# KiCad board soldiercrab_panel.kicad_pcb (continued)
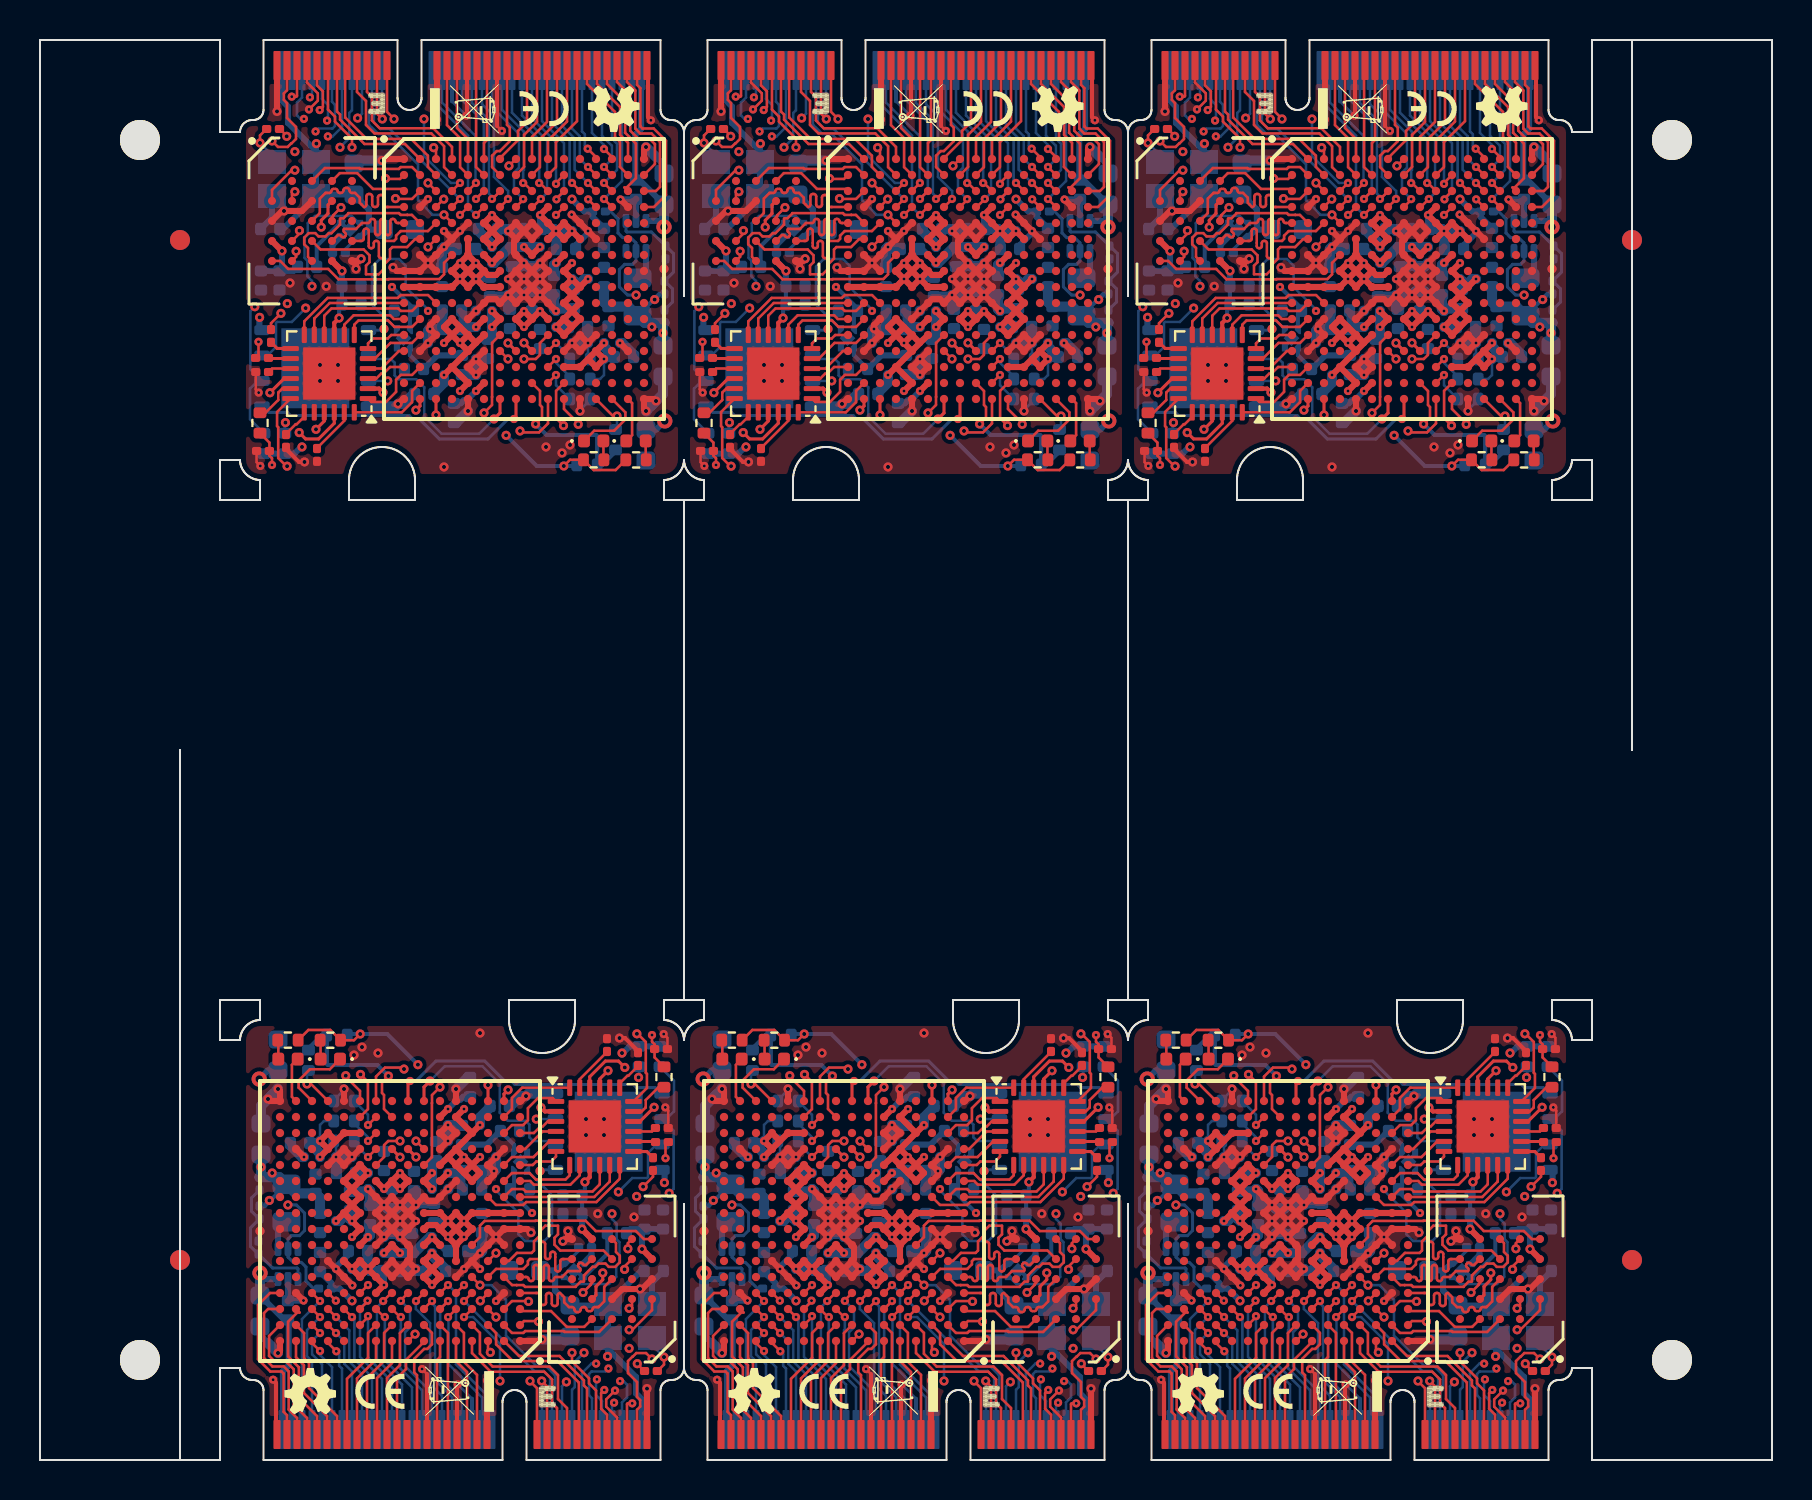
[diagram p0: board, top side]
## Routing (per net, layer and track width the routed paths; a pad name or vN(x,y) marks a point on that pad's centre or on a via; arc(x,y) is an arc through that point) (continued)
  Bottom w0.203: C32#6.1 C5.1 14.95,57.63 v2(14.95,57.1)
  Bottom w0.305: v2(12.1,60.45) 12.1,59.58 C31#3.1 ; C83#6.1 20.48,58.67 20.5,58.65 20.6,58.65 v1(21,59.05) ; C31#3.1 11.05,59.46 11.1,59.51 ; C31#3.1 12.68,59.46 C65#6.1 ; 15.07,58.73 C32#6.1 15.1,59.45 v2(15.1,59.45) 14.63,59.93 R16#5.1 14.63,60.76 15.04,61.18 ; v1(21.8,59.05) 22.42,59.05 C19#5.1
  Bottom w0.508: 19.68,53.35 20.2,53.87 v1(20.2,54.25)
Board_1-+1V1: length 19.4
  Top w0.305: IC1.G7 v1(44.8,59.85) IC1.G6 ; IC1.L9 v1(46.4,57.45) IC1.L8 v1(46.4,56.65) IC1.L9 ; IC1.L9 v1(47.2,57.45) IC1.L10 ; v1(47.2,60.65) IC1.G9 v1(46.4,60.65)
  Bottom w0.203: v2(52.79,56.65) 52.23,57.22 L1#6.2 53.16,58.3 C25#5.2 53.21,58.3 v2(52.93,58.02)
  Bottom w0.305: C15#6.1 44.1,60.55 v1(44.8,59.85) ; C1.1 53.01,51.52 v3(53.44,51.95)
  Bottom w0.508: v1(47.2,60.65) 46.82,60.65 C13.1 46.78,60.65 v1(46.4,60.65) 45.82,60.65 C9#2.1 45.68,60.63 44.9,59.85 v1(44.8,59.85) ; C3#5.1 v2(53.35,56.35) 53.35,56.78 R2#6.2 52.43,56.86 L1#6.2 51.62,57.67 50.63,57.67 50.4,57.9 50.4,58.67
Board_1-+2V5: length 16.9
  Top w0.305: IC1.G11 v1(48,59.85) ; v1(44.8,56.65) IC1.L7 v1(44.8,57.45)
  In3.Cu w0.305: v1(44.8,56.65) 44.8,59.16 45.28,59.65 45.28,60.22 46.2,61.13 47.4,61.13 48,60.54 v1(48,59.85)
  Bottom w0.203: 41.38,54.55 40.7,55.24 U2#3.1
  Bottom w0.305: C26#4.1 44.17,56.03 43.37,55.23 C22#6.1 42.06,55.23 41.38,54.55
  Bottom w0.508: v1(44.8,57.45) v1(44.8,56.65) 44.8,56.23 C26#4.1 ; C24#5.1 47.9,59.75 v1(48,59.85)
Board_1-+3V3: length 82.7
  Top w0.127: R11#2.2 50.98,49.5 49.88,49.5 R15#2.2 48.7,50.01 v2(48.39,49.7)
  Top w0.152: U3.16 34.4,54.07 v2(33.69,53.36)
  Top w0.305: 48.8,56.65 IC1.L12 IC1.K11 IC1.J12 ; 48.8,56.65 IC1.L11 ; 48.8,56.65 IC1.M11 v1(48,56.65) IC1.L11 ; v1(48,61.45) IC1.E10 v1(47.2,62.25) IC1.D10 ; v1(48,61.45) IC1.F11 v1(48.8,61.45) ; v1(48,61.45) IC1.E11 v1(48.8,61.45) ; v1(48,61.45) IC1.F10 ; v1(48.8,61.45) IC1.F12 ; IC1.L11 IC1.K12 IC1.J11 v1(48.8,59.05) ; 49.6,55.05 IC1.P12 IC1.P11 ; 49.6,55.05 IC1.N13 ; 49.6,55.05 IC1.P13 v1(50.4,55.05) IC1.N13 ; IC1.J12 v1(49.6,59.05) ; IC1.J12 v1(48.8,59.05) ; v1(48.8,59.85) IC1.H11 v1(48.8,59.05) ; 45.1,60.95 v1(44.8,60.65) IC1.F6 IC1.E7 v1(44.8,62.25) IC1.E6 45.1,61.15 45.1,60.95 ; 45.1,60.95 IC1.F7 ; IC1.R6 v1(44,53.45) ; IC1.N13 v1(50.4,55.85) ; IC1.L6 v1(44,56.65)
  Bottom w0.127: v1(50.4,55.05) 50.4,54.25 50.2,54.05 R13#6.2
  Bottom w0.152: R16#4.2 37.47,60.54 U4#6.4
  Bottom w0.203: R6#5.1 48.99,49.7 v2(48.39,49.7) 47.04,49.7 v2(45.51,51.23) ; U2#3.4 40.7,57.28 40.88,57.47 40.88,57.57 v1(39.8,58.65)
  Bottom w0.305: 38.16,61.18 38.24,61.18 38.64,61.58 ; C2#5.1 51.97,64.21 51.97,66.27 52.26,66.56 52.26,69.43 J1.74 ; 38.64,61.58 38.7,61.52 C23#6.1 ; 38.64,61.58 38.64,62.53 C4#6.1 36.07,63.27 Y1.1 ; C12#4.1 C33#5.1 43.2,56.47 ; v2(33.18,57.13) 33.17,57.12 33.17,56.49 ; Y1.1 36,63.17 ; Y1.1 34.35,61.55 C10#2.1 34.3,61.44 ; Y1.1 Y1.4 ; C14.1 47.2,61.63 v1(47.2,62.25) ; U1#6.3 53.1,61.95 v3(53.4,61.65) ; v2(48.8,63.04) 49.41,62.43 R1#2.2 49.83,62.15 C35#4.1 ; J1.2 34.3,67.97 34.6,67.67 34.6,66.85 36,65.45 Y1.4 ; v2(36.02,65.82) 36,65.8 Y1.4 ; Y1.4 36,65.43 ; v1(44.8,62.25) 44.12,61.57 C18#6.1 ; v2(35.3,50.65) 35.25,50.65 34.92,50.32 R110#2.1 R109#6.1 ; v1(44,53.45) 43.53,52.98 43.38,52.98 43.23,52.83 C81#3.1
  Bottom w0.508: C14.1 47.9,61.55 v1(48,61.45) ; 53.4,62.55 v3(53.4,61.65) ; C33#5.1 43.38,56.65 v1(44,56.65) ; v1(50.4,55.05) 50.5,55.15 C80#5.1 50.4,55.67 v1(50.4,55.85) ; v1(44.8,60.65) 44.8,60.78 44.12,61.46 C18#6.1 ; C79#6.1 48.02,61.43 v1(48,61.45) ; v1(48,61.45) v1(48.8,61.45) ; C8#3.1 v1(48,56.65) ; v1(48.8,59.05) 48.9,58.95 C16#5.1 49.42,59.05 v1(49.6,59.05)
Board_1-/bank0_1/CLOCK_48MHZ: length 13.4
  Top w0.127: v2(34.54,66.18) 34.54,66.2 34.17,66.56 ; v2(45.65,64.71) 45.99,65.05 IC1.A8
  In2.Cu w0.127: v2(34.54,66.18) 34.88,65.84 35.42,65.84 35.68,65.57 35.68,65.56 35.93,65.31 36.29,65.31 37.03,66.05 44.3,66.05 v2(45.65,64.71)
Board_1-/bank2_3/~{FPGA_SELF_PROGRAM}: length 2.1
  Top w0.127: IC1.T13 50.85,52.2 v2(51.05,52.2) 51.05,52.15
  Bottom w0.127: 51.05,51.51 v2(51.05,52.2)
Board_1-/bank6_7/RAM.CK: length 12.5
  Top w0.127: IC1.C3 42,63.45 v2(41.6,63.85) ; U10#5.B2 34.8,63.27 v2(34.94,63.42)
  In2.Cu w0.127: v2(34.94,63.42) 34.94,63.9 35.6,64.55 37.67,64.55 37.81,64.69 arc(37.98,64.76) 38.15,64.69 38.22,64.62 arc(38.39,64.55) 38.56,64.62 38.64,64.7 arc(38.71,64.87) 38.64,65.04 38.57,65.11 arc(38.5,65.28) 38.57,65.45 39.5,65.45 arc(39.73,65.36) 39.82,65.13 39.82,64.77 arc(39.91,64.55) 40.14,64.45 40.3,64.45 arc(40.53,64.55) 40.62,64.77 40.62,65.13 arc(40.71,65.36) 40.94,65.45 41.8,64.59 41.8,64.05 v2(41.6,63.85)
Board_1-/bank6_7/RAM.DQ0: length 8
  Top w0.127: IC1.F2 40.96,61.05 40.55,60.65 39.82,60.65 39.7,60.53 39.7,60.07 39.43,59.8 39.43,59.58 39.13,59.29 38.5,59.29 38.5,59.72 38.67,59.89 38.67,60.24 38.38,60.53 36.23,60.53 U10#5.D3
Board_1-/bank6_7/RAM.DQ1: length 7.2
  Top w0.127: IC1.B1 40.2,64.05 39.5,64.05 v2(39.48,64.08) ; U10#5.D2 35.17,61.32 v2(35.17,61.47)
  In2.Cu w0.127: v2(39.48,64.08) 37.53,64.08 35.17,61.72 v2(35.17,61.47)
Board_1-/bank6_7/RAM.DQ2: length 6.8
  Top w0.127: v2(39.97,63.07) 39.99,63.05 40.8,63.05 IC1.C2 ; U10#5.C4 36.8,62.15 36.87,62.21 36.87,62.24 v2(37.25,62.62)
  In2.Cu w0.127: v2(39.97,63.07) 39.41,62.5 38.76,62.5 arc(38.63,62.56) 38.57,62.69 38.57,63.24 arc(38.52,63.38) 38.38,63.43 38.28,63.43 arc(38.15,63.38) 38.09,63.24 38.09,62.69 arc(38.04,62.56) 37.9,62.5 37.37,62.5 v2(37.25,62.62)
Board_1-/bank6_7/RAM.DQ3: length 7.5
  Top w0.127: U10#5.D4 37.08,61.23 arc(37.15,61.26) 37.22,61.23 37.29,61.16 arc(37.36,61.13) 37.43,61.16 37.47,61.2 arc(37.5,61.27) 37.47,61.34 37.4,61.41 arc(37.37,61.48) 37.4,61.55 38,61.55 38.3,61.85 38.6,61.85 arc(38.67,61.88) 38.7,61.95 arc(38.73,62.02) 38.8,62.05 38.85,62.05 arc(38.92,62.02) 38.95,61.95 38.95,61.35 arc(38.98,61.28) 39.06,61.25 39.11,61.25 arc(39.18,61.28) 39.21,61.35 39.21,61.95 arc(39.24,62.02) 39.31,62.05 39.36,62.05 arc(39.43,62.02) 39.46,61.95 39.46,61.35 arc(39.49,61.28) 39.56,61.25 39.61,61.25 arc(39.69,61.28) 39.72,61.35 39.72,61.95 arc(39.75,62.02) 39.82,62.05 39.87,62.05 arc(39.94,62.02) 39.97,61.95 arc(40,61.88) 40.07,61.85 IC1.E1
Board_1-/bank6_7/RAM.DQ4: length 7.9
  Top w0.127: IC1.E3 41.6,61.45 40.24,61.45 40,61.21 40,61.06 39.9,60.95 39.5,60.95 arc(39.43,60.92) 39.4,60.85 39.4,60.19 arc(39.37,60.12) 39.3,60.09 39.25,60.09 arc(39.17,60.12) 39.14,60.19 39.14,60.85 arc(39.11,60.92) 39.04,60.95 38.99,60.95 arc(38.92,60.92) 38.89,60.85 38.89,60.69 arc(38.86,60.62) 38.79,60.59 38.74,60.59 arc(38.67,60.62) 38.64,60.69 38.64,61.46 arc(38.61,61.53) 38.53,61.56 38.48,61.56 arc(38.41,61.53) 38.38,61.46 38.38,61.05 arc(38.35,60.98) 38.28,60.95 U10#5.D5
Board_1-/bank6_7/RAM.DQ5: length 8.1
  Top w0.127: IC1.E2 40.8,62.25 40.57,62.25 40.56,62.25 40.24,62.25 40.15,62.34 37.62,62.34 37.62,62.33 37.37,62.08 37.23,62.08 37.2,62.05 37.2,61.77 36.78,61.34 36.64,61.34 36.47,61.18 36.13,61.18 35.96,61.34 35.64,61.34 35.41,61.11 35.41,60.79 35.6,60.6 35.6,60.15 U10#5.E3
Board_1-/bank6_7/RAM.DQ6: length 7.8
  Top w0.127: v2(35.01,60.44) 35.01,60.16 U10#5.E2 ; v2(41.6,60.65) 42,61.05 IC1.F3
  In2.Cu w0.127: v2(41.6,60.65) 35.22,60.65 v2(35.01,60.44)
Board_1-/bank6_7/RAM.DQ7: length 10.2
  Top w0.127: U10#5.E1 34.21,59.95 34.61,59.55 36.61,59.55 37.13,59.03 39.62,59.03 39.64,59.05 42.16,59.05 42.4,59.29 42.4,59.85 IC1.G4
Board_1-/bank6_7/RAM.RWDS: length 8.7
  Top w0.127: IC1.D1 39.5,62.65 arc(39.42,62.68) 39.39,62.77 39.39,63.13 arc(39.35,63.22) 39.27,63.25 39.21,63.25 arc(39.13,63.22) 39.1,63.13 39.1,62.77 arc(39.06,62.68) 38.98,62.65 38.92,62.65 arc(38.84,62.68) 38.81,62.77 38.81,63.18 arc(38.77,63.27) 38.69,63.3 38.63,63.3 arc(38.55,63.27) 38.52,63.18 38.52,62.77 arc(38.48,62.68) 38.4,62.65 38.19,62.86 38.19,63.11 37.95,63.35 37.8,63.35 arc(37.71,63.39) 37.68,63.48 37.68,63.48 arc(37.64,63.57) 37.55,63.6 37.49,63.6 arc(37.4,63.57) 37.37,63.48 37.37,63.48 arc(37.33,63.39) 37.24,63.35 37.18,63.35 arc(37.11,63.38) 37.08,63.45 arc(37.05,63.52) 36.98,63.55 36.87,63.55 arc(36.8,63.52) 36.77,63.45 arc(36.74,63.38) 36.67,63.35 36.47,63.35 36.19,63.07 36.19,62.34 U10#5.C3
Board_1-/bank6_7/RAM.~{CK}: length 12.5
  Top w0.127: U10#5.B1 33.8,63.51 34.78,64.49 v2(34.94,64.49) ; v2(42.39,63.04) 42,62.66 IC1.D3
  In2.Cu w0.127: v2(34.94,64.49) 35.26,64.81 37.55,64.81 37.96,65.21 37.97,65.21 38.47,65.71 41.05,65.71 42.1,64.65 42.1,63.33 v2(42.39,63.04)
Board_1-/bank6_7/RAM.~{CS}: length 5.9
  Top w0.127: U10#5.A3 36.44,64.6 38.16,64.6 38.21,64.55 40.14,64.55 40.24,64.65 40.8,64.65 IC1.B2
Board_1-/bank6_7/RAM.~{RESET}: length 4.1
  Top w0.127: U10#5.A4 37.19,64.34 38.06,64.34 38.85,63.55 40.3,63.55 IC1.C1
Board_1-/bank6_7/USB0.DATA0: length 2.2
  Top w0.127: IC1.N1 40.15,55.45 39.27,54.57 U3.4
Board_1-/bank6_7/USB0.DATA1: length 3.1
  Top w0.127: IC1.M2 40.8,55.85 39.72,55.85 38.94,55.07 U3.5
Board_1-/bank6_7/USB0.DATA2: length 2.2
  Top w0.127: IC1.M1 39.76,56.25 39.59,56.08 38.85,56.08 38.6,55.83 U3.6
Board_1-/bank6_7/USB0.DATA3: length 4.2
  Top w0.127: U3.7 37.91,56.77 38.13,56.98 39.6,56.98 39.93,56.65 40.8,56.65 IC1.L2
Board_1-/bank6_7/USB0.DATA4: length 3.8
  Top w0.127: U3.8 37.41,56.77 37.88,57.23 39.71,57.23 39.89,57.05 IC1.L1
Board_1-/bank6_7/USB0.DATA5: length 6.1
  Top w0.127: U3.10 36.41,57.22 36.78,57.58 40.11,57.58 40.24,57.45 40.8,57.45 IC1.K2
Board_1-/bank6_7/USB0.DATA6: length 5.6
  Top w0.127: IC1.K1 36.69,57.85 35.91,57.08 U3.11
Board_1-/bank6_7/USB0.DATA7: length 8
  Top w0.127: IC1.K3 41.6,58.25 40.24,58.25 40.09,58.1 36.58,58.1 35.41,56.93 U3.12
Board_1-/bank6_7/USB0.DIR: length 3.7
  Top w0.127: IC1.P2 40.8,54.25 40.24,54.25 40,54.01 40,53.41 39.5,52.9 38.77,52.9 U3.1
Board_1-/bank6_7/USB0.NXT: length 2
  Top w0.127: IC1.P1 39.71,54.65 39.37,54.32 39.26,54.32 39.01,54.07 U3.3
Board_1-/bank6_7/USB0.REFCLK: length 8.1
  Top w0.152: v2(42,52.25) IC1.T3 ; U3.21 36.41,51.95 v2(36,51.53)
  In2.Cu w0.152: v2(36,51.53) 36.42,51.95 41.7,51.95 v2(42,52.25)
Board_1-/bank6_7/USB0.STP: length 4.2
  Top w0.127: IC1.R2 40.8,53.45 40.8,52.9 40.29,52.38 U3.24
Board_1-/bank6_7/USB0.~{RESET}: length 9.7
  Top w0.152: v2(41,52.49) 41.2,52.7 IC1.T2 ; U3.22 36.91,51.84 36.13,51.05 35.48,51.05 v2(35.16,51.37)
  In2.Cu w0.152: v2(41,52.49) 40.85,52.35 36.14,52.35 v2(35.16,51.37)
Board_1-/bank8_configuration/D0: length 14.9
  Top w0.152: IC1.T8 46,52.15 v1(45.9,52.05)
  Bottom w0.152: 33.17,52.68 33.33,52.68 33.63,52.38 34.57,52.38 34.73,52.22 40.65,52.22 40.82,52.06 41.15,52.06 42.17,51.05 44.6,51.05 45.6,52.05 v1(45.9,52.05)
Board_1-/bank8_configuration/D1: length 10.7
  Top w0.152: IC1.T7 45.2,52.35 v2(44.9,52.05)
  Bottom w0.127: v2(44.9,52.05) 44.17,51.32 42.28,51.32 41.42,52.18 41.42,53.64 41.01,54.04 40.12,54.04 39.93,54.23 39.93,54.87 39.74,55.05 38.67,55.05 38.5,55.22
Board_1-/bank8_configuration/D2: length 12.6
  Top w0.127: v2(44.4,52.35) 44.8,52.75 44.8,53.15 44.8,53.16 44.8,55.85 IC1.M7
  In1.Cu w0.127: v2(39.59,53.96) 39.93,53.62 39.93,53.3 39.38,52.76 39.38,52.63 40.18,51.83 43.88,51.83 v2(44.4,52.35)
  Bottom w0.127: v2(39.59,53.96) 39.58,53.95 38.5,53.95
Board_1-/bank8_configuration/D3: length 26.2
  Top w0.127: IC1.N7 45.2,55.45 v2(45.6,55.05)
  In1.Cu w0.127: v2(45.6,55.05) 45.5,54.96 45.5,52.06 45,51.55 36.62,51.55 36.22,51.95 35.15,51.95 34.63,51.44 34.31,51.44 34.05,51.7 34.05,52.04 34.37,52.36 34.37,56.12 35.48,57.23 v2(35.48,57.6)
  Bottom w0.127: v2(35.48,57.6) 34.79,56.9 34.05,56.9 34,56.85 34,55.65 33.57,55.22 33.17,55.22
Board_1-/bank8_configuration/FPGA_CFG0: length 1.7
  Top w0.127: IC1.N10 v1(48,55.85)
  Bottom w0.127: R12#5.1 48.69,55.16 v1(48,55.85)
Board_1-/bank8_configuration/FPGA_CFG1: length 1.9
  Top w0.127: IC1.P10 v1(48,55.05)
  Bottom w0.127: R13#6.1 48.69,54.17 48,54.86 v1(48,55.05)
Board_1-/bank8_configuration/FPGA_CFG2: length 2.1
  Top w0.127: IC1.R10 v1(48,54.25)
  Bottom w0.127: R14#6.1 48,53.74 v1(48,54.25)
Board_1-/bank8_configuration/FPGA_CONFIG.~{PROGRAM}: length 8.5
  Top w0.127: v2(46.98,51.8) 47.3,52.12 47.3,52.65 47.2,52.75 47.2,53.45 IC1.R9
  Bottom w0.203: v2(46.98,51.8) 47.53,51.25 50,51.25 50.06,51.19 R6#5.2 50.31,49.75 51.05,50.49
Board_1-/bank8_configuration/FPGA_FLASH_CLK: length 22.8
  Top w0.152: IC1.N9 46.8,55.46 v2(46.4,55.86)
  In1.Cu w0.152: v2(32.94,57.66) 33.53,58.25 39.62,58.25 39.63,58.24 39.97,58.24 39.98,58.25 41.77,58.25 43.78,56.24 44.97,56.24 45.28,56.55 45.71,56.55 v2(46.4,55.86)
  Bottom w0.127: 33.25,53.95 33.08,53.95 32.7,53.57 32.7,52.04 R109#6.2 ; v2(32.94,57.66) 32.72,57.45 32.72,54.53 U7#3.6
Board_1-/bank8_configuration/~{CS_DI}: length 16.5
  Top w0.152: v2(45.6,55.85) IC1.N8
  In1.Cu w0.152: v2(45.6,55.85) 45.58,55.83 43.8,55.83 42.65,56.98 41.14,56.98 40.71,56.55 v2(39.4,56.55) 39.4,55.28 36.34,52.22 34.82,52.22 v2(34.47,51.87)
  Bottom w0.152: v2(34.47,51.87) 34.44,51.84 R110#2.2 ; 38.5,56.49 39.34,56.49 v2(39.4,56.55)
Board_1-/usb/ULPI_1V8: length 2.4
  Top w0.127: U3.23 37.41,51.96 36.05,50.6 C34#6.1
Board_1-/usb/ULPI_3V3: length 1.2
  Top w0.127: C36#5.1 33.8,54.57 U3.15
Board_1-ECP5_A2: length 7.6
  Top w0.127: IC1.A2 40.45,65.8 38.43,65.8 37.2,67.02 37.2,67.27 37.05,67.43 J1.13
Board_1-ECP5_A3: length 9.3
  Top w0.127: v2(41.88,65.62) 42,65.5 IC1.A3 ; J1.11 36.6,69.68 36.6,67.52 36.95,67.17 36.95,66.92 37.8,66.07 v2(37.8,65.63)
  In1.Cu w0.127: v2(41.88,65.62) 37.82,65.62 v2(37.8,65.63)
Board_1-ECP5_A4: length 8
  Top w0.127: J1.19 38.55,68.4 38.8,68.16 38.8,66.98 39.19,66.59 41.87,66.59 42.8,65.65 IC1.A4
Board_1-ECP5_A5: length 4.9
  Top w0.127: IC1.A5 43.6,66.05 43.05,66.6 J1.37
Board_1-ECP5_A6: length 4.7
  Top w0.127: IC1.A6 44.4,65.85 44.55,66 J1.43
Board_1-ECP5_A7: length 5.3
  Top w0.127: IC1.A7 45.2,65.19 45.3,65.19 46.1,65.99 46.1,66.45 46.55,66.9 J1.51
Board_1-ECP5_A9: length 5
  Top w0.127: J1.55 47.55,66.9 46.8,66.15 IC1.A9
Board_1-ECP5_A10: length 5.1
  Top w0.127: IC1.A10 47.6,65.97 48.55,66.92 J1.59
Board_1-ECP5_A13: length 4.7
  Top w0.127: v1(49.58,65.56) 50,65.15 IC1.A13
  Bottom w0.127: J1.62 49.3,66.43 49.44,66.29 49.44,65.71 v1(49.58,65.56)
Board_1-ECP5_A14: length 4.8
  Top w0.127: IC1.A14 50.8,65.15 v1(50.4,65.55)
  Bottom w0.127: v1(50.4,65.55) 50.4,65.75 50.05,66.1 50.05,66.11 49.8,66.35 J1.64
Board_1-ECP5_A15: length 5.3
  Top w0.127: IC1.A15 51.6,65.86 51.2,66.26 51.2,67.65 50.05,68.8 J1.65
Board_1-ECP5_B3: length 8.7
  Top w0.127: J1.15 37.46,69.63 37.46,67.13 38.53,66.05 40.76,66.05 41.6,65.21 41.6,64.65 IC1.B3
Board_1-ECP5_B4: length 9.1
  Top w0.127: IC1.B4 42.4,64.65 42.4,65.69 41.76,66.33 38.92,66.33 38.5,66.75 38.5,67.95 38.05,68.4 J1.17
Board_1-ECP5_B5: length 5.9
  Top w0.127: IC1.B5 43.2,64.65 43.2,66.09 42.55,66.74 J1.35
Board_1-ECP5_B6: length 5.7
  Top w0.127: IC1.B6 44,64.65 44,69.68 J1.41
Board_1-ECP5_B7: length 6.2
  Top w0.127: IC1.B7 44.8,64.65 44.8,65.21 45.04,65.45 45.19,65.45 45.69,65.94 45.69,66.62 45.55,66.76 J1.47
Board_1-ECP5_B8: length 5.9
  Top w0.127: J1.53 47.05,66.9 46.4,66.26 46.4,64.65 IC1.B8
Board_1-ECP5_B9: length 6
  Top w0.127: IC1.B9 47.2,64.65 47.2,66.05 48.05,66.9 J1.57
Board_1-ECP5_B10: length 6.1
  Top w0.127: J1.61 49.05,66.94 48,65.89 48,64.65 IC1.B10
Board_1-ECP5_B11: length 6.8
  Top w0.127: v1(48,63.81) 48,63.85 IC1.B11
  Bottom w0.127: J1.52 46.8,69.47 46.8,67.09 48,65.89 v1(48,63.81)
Board_1-ECP5_B13: length 5.8
  Top w0.127: 49.96,64.25 IC1.B13 50,64.25 v1(49.6,64.65)
  Bottom w0.127: v1(49.6,64.65) 49.19,65.06 49.19,66.18 48.8,66.57 J1.60
Board_1-ECP5_B14: length 5.8
  Top w0.127: IC1.B14 50.4,64.65 v1(50.4,64.65)
  Bottom w0.127: J1.66 50.3,66.21 50.8,65.71 50.8,65.05 v1(50.4,64.65)
Board_1-ECP5_B15: length 6.3
  Top w0.127: IC1.B15 51.2,64.65 51.2,65.91 50.95,66.15 50.95,67.4 49.55,68.8 J1.63
Board_1-ECP5_B16: length 6.8
  Top w0.127: J1.69 51.05,68.9 51.71,68.24 51.71,66.47 52.11,66.07 52.67,66.07 52.95,65.8 52.95,64.8 IC1.B16
Board_1-ECP5_C4: length 14.2
  Top w0.127: v1(43.2,63.85) 42.8,63.45 IC1.C4
  In1.Cu w0.127: v2(41.4,67.05) 40.92,66.57 36.39,66.57 36.16,66.81 36.16,66.99 36.1,67.05 v1(35.4,67.05)
  Bottom w0.127: 43.11,63.76 v1(43.2,63.85) 42.75,63.85 41.4,65.2 v2(41.4,67.05) ; v1(35.4,67.05) 35.22,67.05 35.05,67.23 35.05,67.87 35.3,68.12 J1.6
Board_1-ECP5_C5: length 6.9
  Top w0.127: v1(44,63.85) 43.6,63.46 IC1.C5 43.6,63.46
  Bottom w0.127: J1.34 42.3,67.88 43.35,66.82 43.35,66.82 43.97,66.2 43.97,63.88 v1(44,63.85)
Board_1-ECP5_C6: length 7.6
  Top w0.127: IC1.C6 44.39,63.45 44,63.06 v1(44,63.05) 44,63.05 43.99,63.05
  Bottom w0.127: J1.38 43.3,67.99 44.39,66.9 44.39,63.45 43.99,63.05
Board_1-ECP5_C7: length 7.5
  Top w0.127: 44.86,63.1 45.2,63.43 IC1.C7
  Bottom w0.127: J1.40 43.8,67.85 44.65,67.01 44.65,63.32 44.8,63.16 v1(44.8,63.05) 44.91,63.05 44.86,63.1
Board_1-ECP5_C9: length 6.7
  Top w0.127: v1(46.36,63.85) 46.4,63.85 IC1.C9
  Bottom w0.127: J1.46 45.3,67.51 46.4,66.41 46.4,64.51 46.36,64.46 v1(46.36,63.85)
Board_1-ECP5_C10: length 6.8
  Top w0.127: v1(47.16,63.85) 47.2,63.85 IC1.C10
  Bottom w0.127: v1(47.16,63.85) 47.16,66.01 45.8,67.37 J1.48
Board_1-ECP5_C11: length 7.6
  Top w0.127: v1(48.02,63.03) 48.02,63.07 IC1.C11
  Bottom w0.127: J1.54 47.3,66.95 48.4,65.85 48.4,63.41 v1(48.02,63.03)
Board_1-ECP5_C12: length 6.6
  Top w0.127: IC1.C12 49.2,63.45 v1(48.8,63.85)
  Bottom w0.127: v1(48.8,63.85) 48.68,63.97 48.68,65.97 47.8,66.85 J1.56
Board_1-ECP5_C13: length 6.7
  Top w0.127: IC1.C13 v1(49.6,63.85)
  Bottom w0.127: J1.58 48.3,66.71 48.93,66.08 48.93,64.52 v1(49.6,63.85)
Board_1-ECP5_C14: length 6.6
  Top w0.127: IC1.C14 50.4,63.85 v1(50.4,63.85)
  Bottom w0.127: J1.68 50.8,66.07 51.05,65.82 51.05,64.5 v1(50.4,63.85)
Board_1-ECP5_C15: length 7.2
  Top w0.127: IC1.C15 51.43,63.62 51.53,63.62 52,64.09 52,65.82 51.46,66.36 51.46,67.89 50.55,68.8 J1.67
Board_1-ECP5_C16: length 8
  Top w0.127: J1.71 51.55,68.9 51.97,68.48 51.97,66.57 52.21,66.32 52.78,66.32 53.2,65.9 53.2,63.65 53,63.45 IC1.C16
Board_1-ECP5_D4: length 9.3
  Top w0.127: IC1.D4 43.13,62.98 v1(43.2,63.05) 43.13,63
  Bottom w0.127: J1.22 39.3,67.65 38.9,67.25 38.9,66.88 39.22,66.55 39.69,66.55 43.19,63.05 v1(43.2,63.05)
Board_1-ECP5_D5: length 16.4
  Top w0.127: v1(43.2,62.25) 43.6,62.65 IC1.D5 43.6,62.64
  In1.Cu w0.127: v1(43.2,62.25) 42.8,62.65 42.8,65.55 42.32,66.04 41.71,66.04 41.54,65.87 38.16,65.87 37.97,66.05 37.03,66.05 36.37,65.4 35.85,65.4 35,66.25 35,67.44 v1(35.7,68.13)
  Bottom w0.127: v1(35.7,68.13) 35.8,68.24 J1.8
Board_1-ECP5_D6: length 8.7
  Top w0.127: 43.99,62.25 44,62.25 v1(44,62.25) 44,62.26 44.39,62.65 IC1.D6
  Bottom w0.127: J1.32 41.8,68.02 43.25,66.57 43.25,66.57 43.6,66.22 43.6,62.64 43.99,62.25
Board_1-ECP5_D7: length 7.6
  Top w0.127: IC1.D7 45.21,62.65 45.6,63.04 v1(45.6,63.05) 45.61,63.05 45.61,63.05
  Bottom w0.127: 45.61,63.05 45.61,63.45 44.9,64.15 44.9,67.19 44.3,67.79 J1.42
Board_1-ECP5_D8: length 7.8
  Top w0.127: IC1.D8 46.36,63.01 v1(46.36,63.05)
  Bottom w0.127: v1(46.36,63.05) 45.9,63.5 45.9,64.36 46.15,64.61 46.15,66.3 44.8,67.65 J1.44
Board_1-ECP5_D9: length 7.7
  Top w0.127: IC1.D9 46.84,62.65 v1(47.24,63.05)
  Bottom w0.127: v1(47.24,63.05) 47.55,63.36 47.55,65.97 46.3,67.23 J1.50
Board_1-ECP5_D11: length 19.1
  Top w0.127: IC1.D11 48.4,62.65 v1(48,62.25)
  In2.Cu w0.127: v1(48,62.25) 47.6,62.66 47.08,62.66 46.75,62.98 46.75,64.19 45.82,65.12 45.59,65.12 44.41,66.31 37.02,66.31 36.76,66.57 36.13,66.57 v1(35.98,66.43)
  Bottom w0.127: J1.12 36.8,67.91 36.95,67.76 36.95,66.7 36.82,66.57 36.13,66.57 v1(35.98,66.43)
Board_1-ECP5_D13: length 20.5
  Top w0.127: IC1.D13 49.99,62.65 v1(49.61,63.03) ; IC1.D13 49.96,62.65 ; IC1.D13 50,62.65
  In1.Cu w0.127: v1(49.61,63.03) 49.61,62.54 48.92,61.85 46.1,61.85 45.2,62.76 45.2,63.52 42.39,66.32 36.73,66.32 v1(36.59,66.18)
  Bottom w0.127: J1.14 37.3,69.47 37.3,66.65 36.83,66.18 v1(36.59,66.18)
Board_1-ECP5_D14: length 7.4
  Top w0.127: IC1.D14 v1(50.4,63.05)
  Bottom w0.127: v1(50.4,63.05) 51.3,63.95 51.3,67.95 51.3,67.95 J1.70
Board_1-ECP5_D16: length 8.8
  Top w0.127: J1.73 52.05,68.76 52.22,68.59 52.22,66.68 52.32,66.58 52.88,66.58 53.5,65.96 53.5,63.25 52.9,62.65 IC1.D16
Board_1-ECP5_E4: length 10
  Top w0.127: v2(42.4,62.26) 42.8,61.86 IC1.E4
  Bottom w0.127: J1.20 38.8,67.55 38.64,67.4 38.64,66.77 39.12,66.3 39.58,66.3 41.1,64.78 41.1,62.99 41.83,62.26 v2(42.4,62.26)
Board_1-ECP5_M10_TDO: length 20.8
  Top w0.127: J1.23 39.55,67.41 39.9,67.06 v2(39.9,67.05) ; v2(46.4,55.05) 46.99,55.05 47.2,55.25 47.2,55.85 IC1.M10
  In4.Cu w0.127: v2(39.9,67.05) 40.9,66.05 40.9,59.05 45.4,54.55 45.9,54.55 v2(46.4,55.05)
Board_1-ECP5_R11_TDI: length 27.6
  Top w0.127: v2(48.38,51.72) 48,52.09 48,53.45 IC1.R11
  In4.Cu w0.127: v2(38.08,67.1) 38.08,66.87 39.38,65.57 39.97,65.57 40.39,65.15 40.39,56.6 40.9,56.1 40.9,54.55 42.4,53.05 47.04,53.05 v2(48.38,51.72)
  Bottom w0.127: J1.18 38.3,67.31 v2(38.08,67.1)
Board_1-ECP5_T10_TCK: length 28.3
  Top w0.127: v2(46.2,51.45) 46.27,51.38 47.15,51.38 47.6,51.83 IC1.T10
  In4.Cu w0.127: v1(36.55,66.97) 37.06,66.97 38.88,65.15 38.88,64.8 39.13,64.55 39.9,64.55 40.1,64.35 40.1,63.79 39.55,63.24 39.55,62.9 40.14,62.31 40.14,60.51 39.4,59.78 39.4,58.49 40.14,57.75 40.14,56.5 40.65,55.99 40.65,54.44 43.46,51.63 45.07,51.63 45.1,51.65 46,51.65 v2(46.2,51.45)
  Bottom w0.127: v1(36.55,66.97) 36.6,67.02 36.6,67.75 36.3,68.05 J1.10
Board_1-ECP5_T11_TMS: length 26.7
  Top w0.127: v2(39.32,67.05) 39.05,67.32 J1.21 ; v2(49.11,51.78) 49.11,51.84 48.4,52.55 IC1.T11
  In4.Cu w0.127: v2(39.32,67.05) 39.32,67.04 39.73,66.63 39.73,66.63 40.65,65.72 40.65,56.77 41.15,56.27 41.15,54.66 41.95,53.85 44.16,53.85 44.71,53.31 47.64,53.31 49.11,51.84 v2(49.11,51.78)
Board_1-EN: length 45.1
  In2.Cu w0.127: v2(35.8,58.68) 36.43,58.05 41,58.05 v1(41.6,57.45)
  In2.Cu w0.152: v2(52,58.25) 52,56.08 49.77,53.84 46.2,53.84 45.4,53.04 42.81,53.04 41.19,54.66 41.19,57.04 v1(41.6,57.45)
  Bottom w0.127: U2#3.3 38.8,57.77 38.8,59.66 39.19,60.05 40.14,60.05 40.48,59.71 40.48,58.64 41.6,57.52 v1(41.6,57.45) ; v2(35.8,58.68) 35.8,58.95 35.57,59.19 35.57,59.97 35.43,60.11 35.43,61.13 35.59,61.3 35.59,61.84 35.95,62.2 37.78,62.2 U4#6.3
  Bottom w0.152: v2(52,58.25) 51.58,58.25 51.17,58.65 51.17,59.53 51.43,59.78 51.83,59.78 52,59.95 U1#6.5 52,60.85 51.73,61.12 51.33,61.12 51.1,61.35 51.1,62.05 50.73,62.43 R1#2.1
Board_1-GND: length 114.2
  Top w0.127: v1(33.22,49.7) 33.03,49.89 C37#5.2 ; C36#5.2 32.99,53.52 v1(33.13,53.37) ; v1(43.52,67.22) 43.55,67.25 ; 45.05,66.7 v1(45.3,66.45) ; v1(35.65,67.53) 36.09,67.97 36.09,68.33 35.55,68.87 J1.7 ; v1(52.74,66.99) 52.6,67.13 ; 52.6,69.67 J1.75
  Top w0.203: v2(35.43,49.9) 35.15,49.9 34.58,50.48 34.58,50.63 ; J1.45 45.05,66.7 ; 43.55,67.25 J1.39 ; 52.6,67.13 52.6,69.67
  Top w0.305: v2(38.26,60.06) 38.15,59.95 U10#5.E5 38,59.75 v2(38,59.55) ; IC1.A16 52.4,65.55 v2(52.5,65.65) ; IC1.N2 v1(41.6,55.85) IC1.M3 v1(41.7,56.55) 41.7,56.75 IC1.L3 ; v2(39.3,64.97) 39.38,65.05 IC1.A1 ; v1(48.8,55.85) IC1.N12 v1(49.6,55.85) ; v1(48.8,55.85) IC1.M12 v1(49.6,55.85) ; v1(48.8,55.85) IC1.N11 ; v1(47.2,58.25) IC1.J10 v1(47.2,59.05) ; v1(47.2,58.25) IC1.J9 ; v1(47.2,58.25) IC1.K9 v1(46.4,58.25) ; v1(47.2,58.25) IC1.K10 v1(48,57.45) ; v1(47.2,59.05) IC1.H10 v1(47.2,59.85) ; v1(47.2,59.05) IC1.H9 ; v1(47.2,59.05) IC1.J9 ; v1(48.78,62.27) 48.78,62.27 IC1.E12 v1(49.6,61.45) IC1.F13 ; IC1.F8 v1(45.6,61.45) IC1.E8 IC1.F9 47.2,61.45 IC1.E9 IC1.F8 ; IC1.F8 45.9,60.95 45.9,60.35 IC1.G8 v1(46.4,59.85) ; IC1.T5 v2(43.6,52.45) ; v1(41.6,59.85) IC1.H2 IC1.H1 40.03,59.45 v2(39.85,59.63) ; v1(41.6,59.85) IC1.G3 v1(42.4,60.65) IC1.F4 ; v1(41.6,59.85) IC1.H3 ; v1(41.6,59.85) IC1.G2 ; U10#5.C1 34.3,62.45 v2(34.4,62.45) 35.3,62.45 U10#5.B3 ; IC1.E5 v1(43.2,61.45) IC1.F4 ; IC1.H8 v1(45.6,59.05) IC1.J8 ; IC1.H8 v1(46.4,59.85) ; IC1.H8 v1(46.4,59.05) ; v1(45.6,58.25) IC1.J8 ; v1(45.6,58.25) IC1.K8 v1(46.4,58.25) ; v1(45.6,58.25) IC1.K7 45,58.05 44.6,58.05 IC1.K6 v1(44,57.45) IC1.L5 ; IC1.J8 v1(46.4,59.05) ; IC1.J8 v1(46.4,58.25) ; v1(44,55.05) IC1.P5 v1(44,54.25) IC1.P6 v1(44,55.05) ; v1(44,55.05) IC1.N6 ; IC1.J9 v1(46.4,58.25) ; IC1.J9 v1(46.4,59.05) ; v1(51.23,63.03) 51.23,63.02 IC1.D15 ; IC1.F4 v1(42.4,61.45) ; IC1.D2 v1(41.6,63.05) ; IC1.H9 v1(47.2,59.85) ; IC1.H9 v1(46.4,59.05) ; IC1.H9 v1(46.4,59.85) ; IC1.T1 40.35,53.05 v2(40.1,52.8) ; J1.33 v1(42.05,67.03) ; v1(47.2,59.85) IC1.G10 ; v2(53,52.95) 52.9,53.05 IC1.T16 52.4,52.55 v2(52.5,52.45) ; v1(49.6,55.85) IC1.M13 ; IC1.N15 v1(51.2,55.85) ; v2(34.05,67.43) J1.1 ; IC1.T12 v2(49.2,52.45)
  In2.Cu w0.127: v2(35.43,49.9) 35.09,50.23 33.58,50.23 33.22,49.87 v1(33.22,49.7)
  Bottom w0.127: v1(43.52,67.22) 42.8,67.93 ; R12#5.2 49.6,55.16 v1(49.6,55.85) ; v2(53.4,59.55) 53.48,59.63 R3.2 ; R14#6.2 49.71,53.01 49.2,52.49 v2(49.2,52.45) ; U2#3.2 40.37,55.99 U2#3.2 ; 41.56,56.09 41.6,56.05
  Bottom w0.203: 42.8,67.93 J1.36 ; C65.2 36.04,60.69 37.2,61.85 U4#6.2 37.6,61.53 U4#6.2
  Bottom w0.305: 53,65.15 53.4,64.75 C2#5.2 ; U1#6.2 52,63.03 v1(51.23,63.03) ; C10#2.2 33.8,62.12 Y1.2 34.4,62.6 v2(34.4,62.45) ; v1(48.78,62.27) 49.6,61.45 v1(49.6,61.45) 49.6,61.35 48.98,60.73 C79#6.2
  Bottom w0.508: C15#6.2 42.5,60.55 v1(42.4,60.65) 42.3,60.55 C83#5.2 ; C80#5.2 51.88,55.27 51.3,55.85 v1(51.2,55.85) ; 47.62,58.25 v1(47.2,58.25) 47.02,58.43 C17#5.2 46.58,58.43 v1(46.4,58.25) v1(45.6,58.25) ; C16#5.2 48.12,57.57 v1(48,57.45) 47.9,57.55 C24#5.2 ; 52.77,52.73 53.35,53.3 C3#5.2 ; 52.77,52.73 v2(52.5,52.45) 52.52,52.42 ; 52.77,52.73 v2(53,52.95) ; v2(52.5,65.65) 53,65.15 ; C12#4.2 C33#5.2 v1(41.7,56.55) 41.6,56.45 v1(41.6,55.85) ; v2(43.6,52.45) 43.02,51.87 C81#3.2 ; 40.92,53.35 40.37,52.8 v2(40.1,52.8) 39.98,52.68 38.5,52.68 ; C8#3.2 49.58,55.87 v1(49.6,55.85) v1(48.8,55.85) ; 45.6,57.53 v1(45.6,58.25) ; v1(45.6,58.25) 45.52,58.17 C19#2.2 ; C26#4.2 44.58,55.05 v1(44,55.05) v1(44,54.25) 43.32,54.25 C22#6.2 ; C9#2.2 46.22,59.67 v1(46.4,59.85) 46.58,59.67 C13.2 47.02,59.67 v1(47.2,59.85) ; C18#6.2 45.5,61.55 v1(45.6,61.45) 45.7,61.55 C14.2 ; 43.98,57.47 v1(44,57.45) ; v2(39.3,64.97) 38.05,64.97 C4#6.2
  vias: v2(34.7,58.85) v2(36.2,54.75) v2(36.2,53.95) v2(36.51,58.68) v2(37.1,54.75) v2(37.1,53.95) v2(42.4,49.65) v2(47.5,50.65) v2(48.3,50.35) v2(48.7,50.75)
